# KiCad board FetsAndCrosses.kicad_pcb (continued)
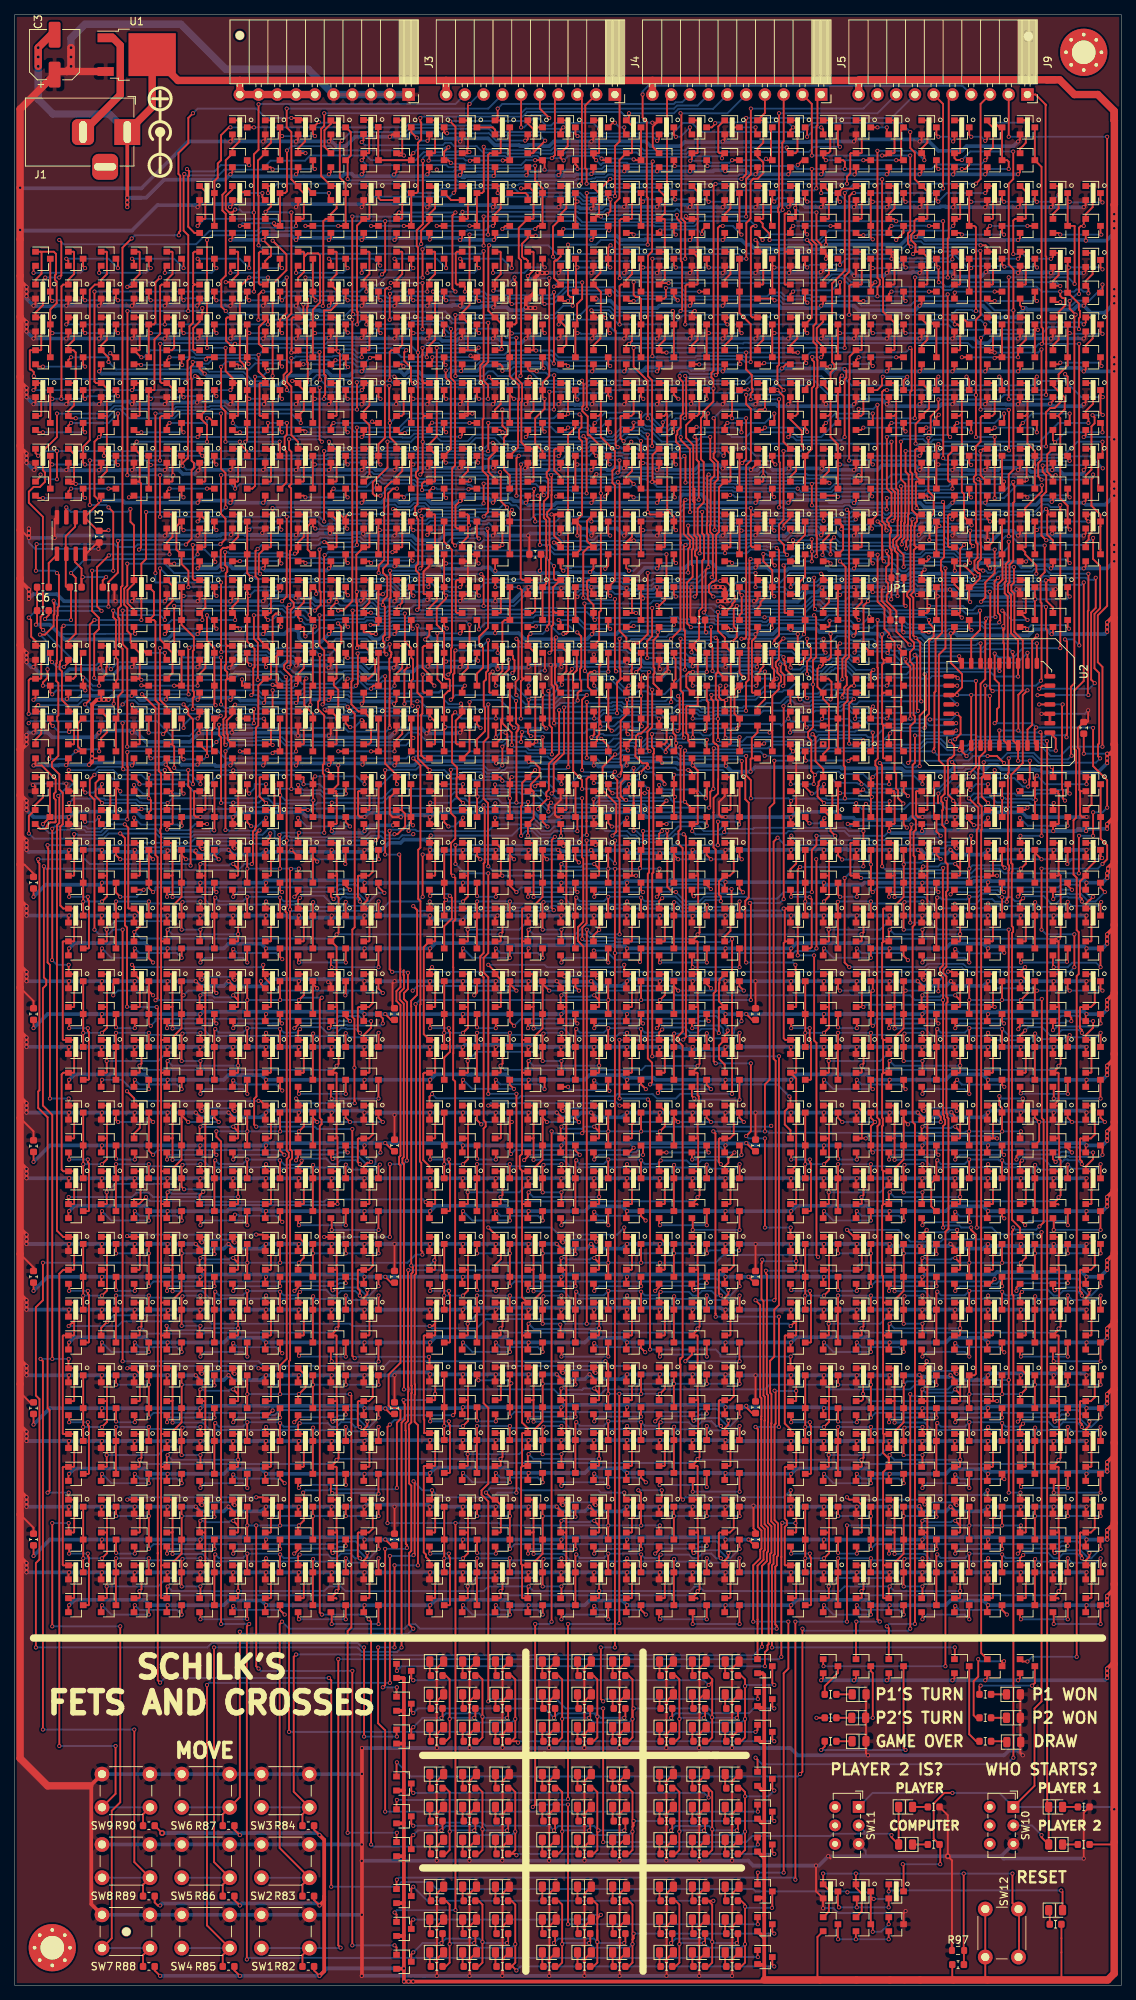
[diagram p0: board, top side]
## Routing (per net, layer and track width the routed paths; a pad name or vN(x,y) marks a point on that pad's centre or on a via; arc(x,y) is an arc through that point) (continued)
Net-(Q1010-Pad2): length 9.4
  Top w0.25: v1(91.96,147.4) 91.94,147.4 91.71,147.62 Q1010.2 ; v1(98.64,147.93) 98.16,148.41 Q1011.3
  Bottom w0.25: v1(98.64,147.93) 98.48,147.77 92.52,147.77 92.15,147.4 v1(91.96,147.4)
Net-(Q1014-Pad2): length 9.5
  Top w0.25: 75.95,149.21 Q1015.3 75.93,148.22 v1(76.2,147.95) ; Q1014.2 69.48,147.36 v1(69.52,147.32)
  Bottom w0.25: v1(69.52,147.32) 69.52,147.71 69.76,147.95 v1(76.2,147.95)
Net-(Q1017-Pad3): length 5.8
  Top w0.25: Q405.2 60.61,162.46 v1(60.71,162.56) ; 58.07,162.35 58.07,162.46 Q1017.3 v1(57.15,162.56)
  Bottom w0.25: v1(60.71,162.56) v1(57.15,162.56)
Net-(Q1018-Pad3): length 7.6
  Top w0.25: Q404.2 65.06,162.5 v1(65.05,162.51) ; v1(70.48,162.27) 70.77,162.56 Q1018.3
  Bottom w0.25: v1(70.48,162.27) 70.38,162.38 65.19,162.38 v1(65.05,162.51)
Net-(Q1021-Pad3): length 4.3
  Top w0.25: v1(107.63,157.26) 107.06,157.83 Q1021.3 ; 109.51,157.16 109.51,157.83 v1(109.65,157.97)
  Bottom w0.25: v1(107.63,157.26) 108.93,157.26 v1(109.65,157.97)
Net-(Q1022-Pad3): length 11.3
  Top w0.25: v1(120.82,156.69) 120.4,157.11 Q1022.3 ; 113.82,157.46 113.95,157.32 113.95,157.16 112.85,157.16 v1(112.82,157.19)
  Bottom w0.25: v1(112.82,157.19) 113.1,156.92 120.59,156.92 v1(120.82,156.69)
Net-(Q1023-Pad3): length 4.8
  Top w0.25: Q409.2 109.51,162.46 v1(109.6,162.56) ; v1(107.95,161.29) 107.06,162.18 Q1023.3
  Bottom w0.25: v1(109.6,162.56) 108.33,161.29 v1(107.95,161.29)
Net-(Q1024-Pad3): length 9.7
  Top w0.25: v1(114.9,161.84) 114.67,161.61 Q408.2 ; Q1024.3 120.4,161.54 v1(120.97,160.97)
  Bottom w0.25: 120.02,161.29 120.65,161.29 v1(120.97,160.97) ; 120.02,161.29 119.87,161.43 115.31,161.43 v1(114.9,161.84) ; 120.02,161.29 120.4,161.29
Net-(Q1029-Pad2): length 9.1
  Top w0.25: v1(109.6,140.33) 109.49,140.22 109.49,139.38 ; Q1030.3 115.95,140.32 v1(115.95,139.06)
  Bottom w0.25: v1(109.6,140.33) 110.87,139.06 v1(115.95,139.06)
Net-(Q1030-Pad2): length 10.4
  Top w0.25: v1(114.05,140.33) 113.94,140.22 113.94,139.38 ; v1(120.97,138.75) 120.38,139.33 Q1031.3
  Bottom w0.25: v1(114.05,140.33) 114.68,139.7 120.02,139.7 v1(120.97,138.75)
Net-(Q1034-Pad2): length 10.1
  Top w0.25: v1(126.75,147.65) 127.27,148.17 Q1034.2 ; Q1035.3 133.72,148.22 v1(133.98,147.95)
  Bottom w0.25: 127.95,147.95 127.05,147.95 v1(126.75,147.65) ; 127.95,147.95 127.67,147.95 ; 127.95,147.95 130.49,147.95 130.75,148.22 133.16,148.22 133.42,147.95 v1(133.98,147.95)
Net-(Q1039-Pad2): length 9.8
  Top w0.25: v1(129.29,138.43) 129.27,138.45 Q1040.3 ; 122.83,139.38 122.94,139.27 v1(122.94,138.43)
  Bottom w0.25: v1(129.29,138.43) 128.65,139.06 123.57,139.06 v1(122.94,138.43)
Net-(Q1040-Pad2): length 8.7
  Top w0.25: 127.38,139.27 127.27,139.38 127.27,140.13 v1(127.38,140.24) ; v1(134.02,139.75) 133.72,140.05 Q1041.3
  Bottom w0.25: v1(127.38,140.24) 127.96,139.66 133.55,139.66 133.63,139.75 v1(134.02,139.75)
Net-(Q1045-Pad2): length 9.1
  Top w0.25: 136.16,139.38 136.16,138.54 v1(136.27,138.43) ; Q1046.3 142.6,138.63 v1(142.51,138.54)
  Bottom w0.25: v1(142.51,138.54) 142.41,138.43 v1(136.27,138.43)
Net-(Q1046-Pad2): length 11
  Top w0.25: Q1047.3 147.05,137.81 v1(147.07,137.79) ; 140.6,139.38 140.6,137.91 v1(140.71,137.8)
  Bottom w0.25: v1(140.71,137.8) 142.62,137.8 143.22,138.4 146.47,138.4 v1(147.07,137.79)
Net-(Q1051-Pad2): length 10.1
  Top w0.25: Q1051.2 136.16,147.62 135.89,147.36 v1(135.86,147.36) ; v1(143.19,148.27) 142.6,148.86 Q1052.3
  Bottom w0.25: v1(143.19,148.27) 141.86,148.27 141.76,148.37 141.39,148 136.5,148 v1(135.86,147.36)
Net-(Q1052-Pad2): length 11.1
  Top w0.25: Q1052.2 140.6,147.05 v1(140.65,147) ; v1(147.64,147.95) 147.05,148.54 Q1053.3
  Bottom w0.25: v1(147.64,147.95) 146.37,146.69 145.41,146.69 144.43,147.67 142.9,147.67 142.81,147.77 141.8,147.77 141.43,147.4 141.05,147.4 v1(140.65,147)
Net-(Q1056-Pad2): length 9.3
  Top w0.25: 124.84,149.21 Q1057.3 124.83,148.22 v1(125.1,147.95) ; Q1056.2 118.38,147.36 v1(118.41,147.32)
  Bottom w0.25: 124.84,147.95 118.66,147.95 118.41,147.71 v1(118.41,147.32)
Net-(Q1059-Pad3): length 8.3
  Top w0.25: Q1059.3 v1(80.39,177.8) ; v1(78.51,177.77) 77.98,177.77 77.62,177.4 77.62,175.72 78.39,174.94
  Bottom w0.25: v1(78.51,177.77) 78.54,177.8 v1(80.39,177.8)
Net-(Q1060-Pad3): length 5
  Top w0.25: v1(79.45,168.69) 80.39,167.75 Q1060.3 ; 78.49,169.34 78.5,169.33 ; 78.49,169.34 78.49,169.29 v1(78.11,168.91) ; 78.49,169.34 78.49,170.18
  Bottom w0.25: v1(79.45,168.69) 79.23,168.91 v1(78.11,168.91)
Net-(Q1061-Pad3): length 6.2
  Top w0.25: v1(84.17,177.74) 84.84,178.4 Q1061.3 ; Q413.2 82.84,175.62 83.11,175.89 v1(83.15,175.89)
  Bottom w0.25: v1(84.17,177.74) 84.17,176.92 v1(83.15,175.89)
Net-(Q1062-Pad3): length 5
  Top w0.25: v1(84.77,168.81) 84.84,168.74 Q1062.3 ; Q412.2 82.84,169.52 v1(83.03,169.33)
  Bottom w0.25: v1(83.03,169.33) 83.18,169.18 84.4,169.18 v1(84.77,168.81)
Net-(Q1065-Pad3): length 9.9
  Top w0.25: 65.06,174.94 64.36,174.94 64.28,175.02 64.28,177.51 64.31,177.53 64.45,177.53 v1(64.72,177.81) ; Q1065.3 67.49,179.9 67.49,179.52 67.68,179.33 67.68,177.89 v1(67.41,177.62)
  Bottom w0.25: v1(67.41,177.62) 67.13,177.34 65.18,177.34 v1(64.72,177.81)
Net-(Q1066-Pad3): length 5.6
  Top w0.25: v1(65.15,168.91) 65.15,170.18 ; v1(66.46,169.54) 66.71,169.3 66.71,167.35 Q1066.3
  Bottom w0.25: v1(66.46,169.54) 65.79,169.54 v1(65.15,168.91)
Net-(Q1067-Pad3): length 6.7
  Top w0.25: Q417.2 69.5,175.8 v1(69.6,175.89) ; v1(71.79,177.95) 71.79,180.05 Q1067.3
  Bottom w0.25: v1(69.6,175.89) 69.6,176.28 71.26,177.95 v1(71.79,177.95)
Net-(Q1068-Pad3): length 5.2
  Top w0.25: Q1068.3 v1(71.5,168.91) ; Q416.2 69.5,169.47 v1(69.9,169.07)
  Bottom w0.25: v1(69.9,169.07) 71.34,169.07 v1(71.5,168.91)
Net-(Q1071-Pad2): length 9.1
  Top w0.25: v1(11.81,122.55) 11.7,122.44 Q1071.2 ; Q1072.3 18.16,122.54 v1(18.16,121.28)
  Bottom w0.25: v1(11.81,122.55) 14.54,122.55 15.81,121.28 v1(18.16,121.28)
Net-(Q1072-Pad2): length 9.1
  Top w0.25: v1(16.26,122.55) 16.14,122.44 Q1072.2 ; Q1073.3 22.61,122.54 v1(22.61,121.28)
  Bottom w0.25: v1(16.26,122.55) 16.89,121.92 21.97,121.92 v1(22.61,121.28)
Net-(Q1076-Pad2): length 10.3
  Top w0.25: 29.48,130.49 29.59,130.38 v1(29.59,129.54) ; Q1077.3 35.92,130.44 v1(36.2,130.17)
  Bottom w0.25: v1(29.59,129.54) 30.23,130.17 34.92,130.17 ; 34.92,130.17 v1(36.2,130.17) ; 34.92,130.17 35.94,130.17
Net-(Q1081-Pad2): length 9.8
  Top w0.25: v1(31.5,120.65) 31.48,120.67 Q1082.3 ; Q1081.2 25.15,121.49 v1(25.15,120.65)
  Bottom w0.25: v1(31.5,120.65) 30.86,121.28 25.78,121.28 v1(25.15,120.65)
Net-(Q1082-Pad2): length 9.9
  Top w0.25: 29.59,121.49 Q1082.2 29.48,122.35 v1(29.59,122.46) ; Q1083.3 35.92,121.4 v1(36.23,121.1)
  Bottom w0.25: v1(36.23,121.1) 35.41,121.92 30.14,121.92 v1(29.59,122.46)
Net-(Q1087-Pad2): length 9.3
  Top w0.25: Q1088.3 44.83,122.54 v1(44.83,120.65) ; v1(38.49,120.66) 38.37,120.77 Q1087.2
  Bottom w0.25: v1(38.49,120.66) 38.49,120.65 v1(44.83,120.65)
Net-(Q1088-Pad2): length 10.5
  Top w0.25: Q1089.3 49.26,120.03 v1(49.28,120.01) ; v1(42.92,120.02) 42.81,120.13 Q1088.2
  Bottom w0.25: v1(42.92,120.02) 42.93,120.01 v1(49.28,120.01)
Net-(Q1093-Pad2): length 10.4
  Top w0.25: v1(37.88,129.54) 38.37,130.03 38.37,130.49 ; v1(45.4,130.49) 44.77,131.13 44.77,131.44 Q1094.3
  Bottom w0.25: v1(45.4,130.49) 44.07,130.49 43.97,130.59 43.6,130.22 38.56,130.22 v1(37.88,129.54)
Net-(Q1094-Pad2): length 10.2
  Top w0.25: Q1095.3 49.85,130.86 v1(49.85,130.17) ; v1(42.55,129.54) 42.81,129.81 42.81,130.49
  Bottom w0.25: v1(49.85,130.17) 49.56,129.89 45.11,129.89 45.02,129.99 44.01,129.99 43.64,129.62 43.45,129.62 43.37,129.54 v1(42.55,129.54)
Net-(Q1098-Pad2): length 10.6
  Top w0.25: 27.05,131.43 Q1099.3 27.04,130.44 v1(27.31,130.17) ; 20.59,130.49 20.59,129.58 v1(20.62,129.54)
  Bottom w0.25: v1(20.62,129.54) 20.62,129.93 20.87,130.17 26.04,130.17 ; 26.04,130.17 v1(27.31,130.17) ; 26.04,130.17 27.05,130.17
Net-(Q1104-Pad2): length 7
  Top w0.25: Q1105.3 13.72,147.89 v1(14.29,147.32) ; Q1104.2 16.16,148.27 v1(17.46,148.27)
  Bottom w0.25: v1(17.46,148.27) 16.51,147.32 v1(14.29,147.32)
Net-(Q1108-Pad2): length 11.3
  Top w0.25: Q1108.2 7.37,148.18 v1(7.37,147.32) ; v1(9.9,147.32) 9.9,146.93 10.05,146.78 10.05,140.41 9.97,140.33 Q1109.3
  Bottom w0.25: v1(7.37,147.32) v1(9.9,147.32)
Net-(Q1113-Pad2): length 9.9
  Top w0.25: v1(60.71,122.55) 60.59,122.44 Q1113.2 ; 67.06,122.54 Q1114.3 67.04,121.89 v1(67.61,121.32)
  Bottom w0.25: v1(60.71,122.55) 61.94,121.32 v1(67.61,121.32)
Net-(Q1114-Pad2): length 9.5
  Top w0.25: v1(65.15,122.55) 65.04,122.44 Q1114.2 ; 71.5,122.54 Q1115.3 71.76,122.28 v1(71.76,121.28)
  Bottom w0.25: v1(65.15,122.55) 65.79,121.92 71.12,121.92 v1(71.76,121.28)
Net-(Q1118-Pad2): length 9.7
  Top w0.25: 84.82,130.19 84.84,130.17 ; 78.38,130.49 78.49,130.38 v1(78.49,129.54) ; v1(85.09,130.17) 84.82,130.44 Q1119.3
  Bottom w0.25: v1(78.49,129.54) 79.12,130.17 84.45,130.17 ; v1(85.09,130.17) 84.45,130.17 ; 84.45,130.17 84.84,130.17
Net-(Q1123-Pad2): length 8.5
  Top w0.25: v1(80.54,121.07) 80.38,121.23 Q1124.3 ; v1(74.93,121.6) 73.93,121.6 Q1123.2
  Bottom w0.25: v1(74.93,121.6) 75.12,121.41 75.12,121.16 80.44,121.16 v1(80.54,121.07)
Net-(Q1124-Pad2): length 10.1
  Top w0.25: 78.49,121.49 Q1124.2 78.38,122.35 v1(78.49,122.46) ; Q1125.3 84.82,121.94 v1(85.47,121.28)
  Bottom w0.25: v1(85.47,121.28) 84.84,121.92 79.03,121.92 v1(78.49,122.46)
Net-(Q1129-Pad2): length 9.8
  Top w0.25: Q1129.2 87.27,120.92 v1(87.1,120.76) ; Q1130.3 93.71,121.87 v1(94.3,121.28)
  Bottom w0.25: v1(94.3,121.28) 87.63,121.28 v1(87.1,120.76)
Net-(Q1130-Pad2): length 10.6
  Top w0.25: Q1131.3 98.16,119.88 v1(98.17,119.86) ; v1(92.04,120.02) 91.71,120.35 Q1130.2
  Bottom w0.25: v1(98.17,119.86) 92.19,119.86 v1(92.04,120.02)
Net-(Q1135-Pad2): length 9.6
  Top w0.25: v1(86.96,129.54) 87.27,129.85 87.27,130.49 ; Q1136.3 93.71,130.76 v1(93.98,130.49)
  Bottom w0.25: v1(86.96,129.54) 87.64,130.22 92.5,130.22 92.77,130.49 v1(93.98,130.49)
Net-(Q1136-Pad2): length 10.8
  Top w0.25: 91.71,130.49 91.71,129.59 v1(91.76,129.54) ; v1(98.42,130.49) 98.42,131.17 Q1137.3
  Bottom w0.25: v1(91.76,129.54) 92.45,129.54 92.81,129.89 95.53,129.89 95.95,129.47 95.95,128.93 96.27,128.62 97.13,128.62 97.44,128.93 97.44,129.51 v1(98.42,130.49)
Net-(Q1140-Pad2): length 9.6
  Top w0.25: 75.95,131.43 Q1141.3 75.93,130.44 v1(76.2,130.17) ; 69.48,130.49 69.48,129.58 v1(69.52,129.54)
  Bottom w0.25: v1(69.52,129.54) 69.52,129.93 69.76,130.17 75.88,130.17 ; v1(76.2,130.17) 75.88,130.17 ; 75.88,130.17 75.95,130.17
Net-(Q1144-Pad2): length 5.4
  Top w0.25: Q1144.2 65.15,148.18 v1(65.15,147.32) ; Q1145.3 v1(62.61,147.44)
  Bottom w0.25: v1(62.61,147.44) 62.73,147.32 v1(65.15,147.32)
Net-(Q1148-Pad2): length 11.4
  Top w0.25: Q1148.2 56.17,147.54 v1(56.27,147.43) ; Q1149.3 58.17,143.34 59.2,144.38 59.2,147.18 v1(58.92,147.46)
  Bottom w0.25: v1(58.92,147.46) 58.67,147.71 56.55,147.71 v1(56.27,147.43)
Net-(Q1152-Pad2): length 5.3
  Top w0.25: Q1152.2 114.05,148.18 v1(114.05,147.32) ; Q1185.3 111.51,147.61 v1(111.79,147.32)
  Bottom w0.25: v1(114.05,147.32) v1(111.79,147.32)
Net-(Q1155-Pad2): length 10.5
  Top w0.25: v1(109.6,122.55) 109.49,122.44 Q1155.2 ; 115.95,122.54 Q1156.3 115.94,121.55 v1(116.2,121.28)
  Bottom w0.25: v1(109.6,122.55) 110.87,121.28 114.94,121.28 ; v1(116.2,121.28) 114.94,121.28 ; 114.94,121.28 115.95,121.28
Net-(Q1156-Pad2): length 9.5
  Top w0.25: v1(114.05,122.55) 113.94,122.44 Q1156.2 ; 120.4,122.54 Q1157.3 120.38,121.55 v1(120.65,121.28)
  Bottom w0.25: v1(114.05,122.55) 114.68,121.92 120.02,121.92 v1(120.65,121.28)
Net-(Q1160-Pad2): length 9
  Top w0.25: 127.27,130.49 127.38,130.38 v1(127.38,129.54) ; Q1161.3 133.72,130.44 v1(133.98,130.17)
  Bottom w0.25: 133.73,130.17 128.02,130.17 v1(127.38,129.54)
Net-(Q1165-Pad2): length 9.8
  Top w0.25: v1(129.29,120.65) 129.27,120.67 Q1166.3 ; Q1165.2 122.94,121.49 v1(122.94,120.65)
  Bottom w0.25: v1(129.29,120.65) 128.65,121.28 123.57,121.28 v1(122.94,120.65)
Net-(Q1166-Pad2): length 9.4
  Top w0.25: 127.38,121.49 Q1166.2 ; Q1166.2 127.38,121.72 127.38,121.79 ; Q1166.2 127.27,122.19 v1(127.64,122.55) ; v1(134.02,121.6) 133.72,121.9 Q1167.3
  Bottom w0.25: v1(134.02,121.6) 133.72,121.9 128.25,121.9 128.25,121.94 v1(127.64,122.55)
Net-(Q1171-Pad2): length 9.2
  Top w0.25: Q1172.3 142.62,122.54 v1(142.62,120.65) ; v1(136.25,120.71) 136.16,120.8 Q1171.2
  Bottom w0.25: v1(142.62,120.65) 136.31,120.65 v1(136.25,120.71)
Net-(Q1172-Pad2): length 10.5
  Top w0.25: Q1173.3 147.05,120.03 v1(147.07,120.01) ; Q1172.2 140.72,121.49 v1(140.72,120.01)
  Bottom w0.25: v1(147.07,120.01) v1(140.72,120.01)
Net-(Q1177-Pad2): length 10
  Top w0.25: Q1178.3 143.1,130.95 v1(143.1,130.49) ; v1(135.92,129.39) 135.92,129.6 136.16,129.84 136.16,130.49
  Bottom w0.25: v1(143.1,130.49) 142.53,130.49 142.31,130.27 140.3,130.27 140.26,130.22 136.74,130.22 v1(135.92,129.39)
Net-(Q1178-Pad2): length 9.4
  Top w0.25: Q1179.3 147.05,130.19 v1(147.07,130.17) ; 140.65,129.22 v1(140.6,129.27) 140.6,130.49
  Bottom w0.25: 140.65,129.22 141.2,129.77 146.66,129.77 v1(147.07,130.17)
Net-(Q1182-Pad2): length 9.5
  Top w0.25: 124.84,131.43 Q1183.3 124.83,130.44 v1(125.1,130.17) ; 118.38,130.49 118.38,129.58 v1(118.41,129.54)
  Bottom w0.25: v1(118.41,129.54) 118.41,129.93 118.66,130.17 v1(125.1,130.17)
Net-(Q1188-Pad2): length 11.3
  Top w0.25: Q1188.2 105.16,148.18 v1(105.16,147.32) ; v1(107.66,147.26) 107.94,146.99 107.94,140.51 107.76,140.33 Q1189.3
  Bottom w0.25: v1(105.16,147.32) 107.6,147.32 v1(107.66,147.26)
Net-(Q1192-Pad2): length 5.4
  Top w0.25: 16.16,130.49 16.26,130.4 v1(16.26,129.54) ; Q1193.3 v1(13.72,129.66)
  Bottom w0.25: v1(13.72,129.66) 13.83,129.54 v1(16.26,129.54)
Net-(Q1197-Pad2): length 9.1
  Top w0.25: v1(11.81,104.77) 11.7,104.66 Q1197.2 ; Q1198.3 18.16,104.76 v1(18.16,103.5)
  Bottom w0.25: v1(11.81,104.77) 13.08,103.5 v1(18.16,103.5)
Net-(Q1198-Pad2): length 9.1
  Top w0.25: v1(16.26,104.77) 16.14,104.66 Q1198.2 ; Q1199.3 22.61,104.76 v1(22.61,103.5)
  Bottom w0.25: v1(16.26,104.77) 16.89,104.14 21.97,104.14 v1(22.61,103.5)
Net-(Q1202-Pad2): length 10.1
  Top w0.25: 29.48,112.71 29.59,112.6 v1(29.59,111.76) ; Q1203.3 35.92,112.98 v1(36.51,112.39)
  Bottom w0.25: 35.56,112.39 35.91,112.39 ; 35.56,112.39 v1(36.51,112.39) ; 35.56,112.39 30.23,112.39 v1(29.59,111.76)
Net-(Q1207-Pad2): length 9.8
  Top w0.25: v1(31.5,102.87) 31.48,102.89 Q1208.3 ; Q1207.2 25.15,103.71 v1(25.15,102.87)
  Bottom w0.25: v1(31.5,102.87) 30.86,103.5 25.78,103.5 v1(25.15,102.87)
Net-(Q1208-Pad2): length 9.2
  Top w0.25: 29.59,103.71 Q1208.2 29.48,103.95 v1(29.82,104.29) ; v1(36.23,103.32) 35.92,103.62 Q1209.3
  Bottom w0.25: v1(29.82,104.29) 30.21,104.29 30.37,104.14 35.41,104.14 v1(36.23,103.32)
Net-(Q1213-Pad2): length 9.3
  Top w0.25: Q1213.2 38.37,102.98 v1(38.48,102.87) ; Q1214.3 44.83,104.76 v1(44.83,102.87)
  Bottom w0.25: v1(38.48,102.87) v1(44.83,102.87)
Net-(Q1214-Pad2): length 10.5
  Top w0.25: Q1215.3 49.26,102.25 v1(49.28,102.23) ; Q1214.2 42.93,103.71 v1(42.93,102.23)
  Bottom w0.25: v1(49.28,102.23) v1(42.93,102.23)
Net-(Q1219-Pad2): length 9.9
  Top w0.25: v1(45.08,112.71) 44.81,112.98 Q1220.3 ; v1(38.09,111.64) 38.09,111.79 38.37,112.06 38.37,112.71
  Bottom w0.25: v1(38.09,111.64) 38.09,112.03 38.5,112.44 43.6,112.44 43.88,112.71 v1(45.08,112.71)
Net-(Q1220-Pad2): length 10.5
  Top w0.25: v1(43.06,111.84) 43.04,111.84 42.81,112.06 42.81,112.71 ; Q1221.3 49.53,113.39 v1(49.53,112.71)
  Bottom w0.25: v1(43.06,111.84) 43.64,111.84 43.91,112.11 46.64,112.11 47.91,110.84 48.55,110.84 48.86,111.15 48.86,112.04 v1(49.53,112.71)
Net-(Q1224-Pad2): length 9.6
  Top w0.25: 27.05,113.65 Q1225.3 27.04,112.66 v1(27.31,112.39) ; 20.59,112.71 20.59,111.8 v1(20.62,111.76)
  Bottom w0.25: v1(20.62,111.76) 20.62,112.15 20.87,112.39 26.99,112.39 ; 26.99,112.39 v1(27.31,112.39) ; 26.99,112.39 27.05,112.39
Net-(Q1228-Pad2): length 11.3
  Top w0.25: 7.27,130.49 7.37,130.4 v1(7.37,129.54) ; Q1229.3 9.97,122.55 10.05,122.63 10.05,129 9.9,129.15 v1(9.9,129.54)
  Bottom w0.25: v1(7.37,129.54) v1(9.9,129.54)
Net-(Q1232-Pad2): length 5.4
  Top w0.25: 65.06,130.49 65.15,130.4 v1(65.15,129.54) ; Q1233.3 v1(62.61,129.66)
  Bottom w0.25: v1(62.61,129.66) 62.73,129.54 v1(65.15,129.54)
Net-(Q1236-Pad2): length 10.9
  Top w0.25: 56.17,130.49 56.26,130.4 v1(56.26,129.54) ; v1(58.79,129.54) 58.79,129.15 58.94,129 58.94,126.34 58.17,125.56 Q1269.3
  Bottom w0.25: v1(56.26,129.54) v1(58.79,129.54)
Net-(Q1239-Pad2): length 9.1
  Top w0.25: v1(60.71,104.77) 60.59,104.66 Q1239.2 ; Q1240.3 67.06,104.76 v1(67.06,103.5)
  Bottom w0.25: v1(60.71,104.77) 61.98,103.5 v1(67.06,103.5)
Net-(Q1240-Pad2): length 9.1
  Top w0.25: v1(65.15,104.77) 65.04,104.66 Q1240.2 ; Q1241.3 71.5,104.76 v1(71.5,103.5)
  Bottom w0.25: v1(65.15,104.77) 65.79,104.14 70.87,104.14 v1(71.5,103.5)
Net-(Q1244-Pad2): length 9.3
  Top w0.25: 78.38,112.71 78.49,112.6 v1(78.49,111.76) ; Q1245.3 85.09,113.39 v1(85.09,112.39)
  Bottom w0.25: v1(78.49,111.76) 79.12,112.39 82.93,112.39 83.03,112.3 84.35,112.3 84.45,112.39 v1(85.09,112.39)
Net-(Q1249-Pad2): length 9.8
  Top w0.25: v1(80.39,102.87) 80.38,102.89 Q1250.3 ; Q1249.2 74.04,103.71 v1(74.04,102.87)
  Bottom w0.25: v1(80.39,102.87) 79.76,103.5 74.68,103.5 v1(74.04,102.87)
Net-(Q1250-Pad2): length 10
  Top w0.25: 78.49,103.71 Q1250.2 78.38,104.57 v1(78.49,104.68) ; v1(85.44,103.5) 85.44,103.5 84.82,104.12 Q1251.3
  Bottom w0.25: v1(85.44,103.5) 84.81,104.14 79.03,104.14 v1(78.49,104.68)
Net-(Q1255-Pad2): length 9.3
  Top w0.25: Q1255.2 87.27,102.98 v1(87.38,102.87) ; Q1256.3 93.73,104.76 v1(93.73,102.87)
  Bottom w0.25: v1(87.38,102.87) v1(93.73,102.87)
Net-(Q1256-Pad2): length 10.5
  Top w0.25: Q1257.3 98.16,102.25 v1(98.17,102.23) ; Q1256.2 91.82,103.71 v1(91.82,102.23)
  Bottom w0.25: v1(98.17,102.23) v1(91.82,102.23)
Net-(Q1261-Pad2): length 7.8
  Top w0.25: v1(93.98,112.71) 93.71,112.98 Q1262.3 ; 87.27,112.71 87.27,112.71 v1(88.27,112.71)
  Bottom w0.25: v1(93.98,112.71) v1(88.27,112.71)
Net-(Q1262-Pad2): length 9.3
  Top w0.25: 91.71,112.71 91.71,111.81 v1(91.76,111.76) ; Q1263.3 98.42,113.39 v1(98.42,112.39)
  Bottom w0.25: v1(91.76,111.76) 92.27,111.76 92.62,112.11 98.14,112.11 v1(98.42,112.39)
Net-(Q1266-Pad2): length 10.6
  Top w0.25: 75.95,113.65 Q1267.3 75.93,112.98 v1(76.52,112.39) ; v1(69,111.68) 69.48,112.17 69.48,112.71
  Bottom w0.25: v1(76.52,112.39) 69.71,112.39 v1(69,111.68)
Net-(Q1272-Pad2): length 5.4
  Top w0.25: 113.95,130.49 114.05,130.4 v1(114.05,129.54) ; Q1273.3 v1(111.51,129.66)
  Bottom w0.25: v1(111.51,129.66) 111.62,129.54 v1(114.05,129.54)
Net-(Q1276-Pad2): length 11.3
  Top w0.25: 105.06,130.49 105.16,130.4 v1(105.16,129.54) ; v1(107.67,129.54) 107.67,127.83 107.84,127.66 107.84,122.63 107.76,122.55 Q1277.3
  Bottom w0.25: v1(105.16,129.54) v1(107.67,129.54)
Net-(Q1281-Pad2): length 9.1
  Top w0.25: v1(109.6,104.77) 109.49,104.66 Q1281.2 ; Q1282.3 115.95,104.76 v1(115.95,103.5)
  Bottom w0.25: v1(109.6,104.77) 110.87,103.5 v1(115.95,103.5)
Net-(Q1282-Pad2): length 9.1
  Top w0.25: v1(114.05,104.77) 113.94,104.66 Q1282.2 ; Q1283.3 120.4,104.76 v1(120.4,103.5)
  Bottom w0.25: v1(114.05,104.77) 114.68,104.14 119.76,104.14 v1(120.4,103.5)
Net-(Q1286-Pad2): length 9.6
  Top w0.25: 127.27,112.71 127.38,112.6 v1(127.38,111.76) ; Q1287.3 133.72,112.66 v1(133.98,112.39)
  Bottom w0.25: v1(127.38,111.76) 128.02,112.39 133.35,112.39 ; 133.35,112.39 133.73,112.39 ; 133.35,112.39 v1(133.98,112.39)
Net-(Q1291-Pad2): length 9.1
  Top w0.25: Q1291.2 122.94,103.71 v1(122.94,102.87) ; v1(129.37,103.29) 129.27,103.39 Q1292.3
  Bottom w0.25: v1(122.94,102.87) 123.35,103.29 v1(129.37,103.29)
Net-(Q1292-Pad2): length 9.2
  Top w0.25: 127.38,103.71 Q1292.2 127.27,104.57 v1(127.38,104.68) ; v1(134.02,103.79) 133.72,104.1 Q1293.3
  Bottom w0.25: v1(127.38,104.68) 128,104.07 133.74,104.07 v1(134.02,103.79)
Net-(Q1297-Pad2): length 9.4
  Top w0.25: Q1298.3 142.62,104.76 v1(142.62,102.87) ; v1(136.84,102.87) 136.16,103.55 Q1297.2
  Bottom w0.25: v1(142.62,102.87) 142.06,103.43 137.4,103.43 v1(136.84,102.87)
Net-(Q1298-Pad2): length 10.5
  Top w0.25: Q1299.3 147.05,102.25 v1(147.07,102.23) ; Q1298.2 140.72,103.71 v1(140.72,102.23)
  Bottom w0.25: v1(147.07,102.23) v1(140.72,102.23)
Net-(Q1303-Pad2): length 10.3
  Top w0.25: v1(143.19,112.71) 142.6,113.3 Q1304.3 ; v1(135.67,111.76) 135.67,112.23 136.16,112.71
  Bottom w0.25: v1(135.67,111.76) 136.34,112.44 141.33,112.44 141.7,112.81 142.61,112.81 142.71,112.71 v1(143.19,112.71)
Net-(Q1304-Pad2): length 10.2
  Top w0.25: 140.6,112.71 140.6,111.81 v1(140.97,111.44) ; Q1305.3 147.32,113.39 v1(147.32,112.39)
  Bottom w0.25: 141.8,112.21 141.43,111.84 ; 141.8,112.21 141.74,112.21 v1(140.97,111.44) ; 141.8,112.21 142.81,112.21 142.9,112.11 147.04,112.11 v1(147.32,112.39)
Net-(Q1308-Pad2): length 9.6
  Top w0.25: 124.84,113.65 Q1309.3 124.83,112.66 v1(125.1,112.39) ; 118.38,112.71 118.38,111.8 v1(118.41,111.76)
  Bottom w0.25: v1(118.41,111.76) 118.41,112.15 118.66,112.39 124.78,112.39 ; v1(125.1,112.39) 124.78,112.39 ; 124.78,112.39 124.84,112.39
Net-(Q1312-Pad2): length 5.4
  Top w0.25: 16.16,112.71 16.26,112.62 v1(16.26,111.76) ; Q1313.3 v1(13.72,111.88)
  Bottom w0.25: v1(13.72,111.88) 13.83,111.76 v1(16.26,111.76)
Net-(Q1316-Pad2): length 11.3
  Top w0.25: 7.27,112.71 7.37,112.62 v1(7.37,111.76) ; Q1317.3 9.97,104.77 10.05,104.85 10.05,111.22 9.9,111.37 v1(9.9,111.76)
  Bottom w0.25: v1(7.37,111.76) v1(9.9,111.76)
Net-(Q1320-Pad2): length 5.4
  Top w0.25: 65.06,112.71 65.15,112.62 v1(65.15,111.76) ; Q1362.3 v1(62.61,111.88)
  Bottom w0.25: v1(62.61,111.88) 62.73,111.76 v1(65.15,111.76)
Net-(Q1340-Pad3): length 24.3
  Top w0.25: v1(109.22,31.84) 109.7,32.32 R99.2 ; Q1340.3 120.38,32.11 v1(120.65,31.84)
  Bottom w0.25: v1(109.22,31.84) v1(120.65,31.84)
Net-(Q1341-Pad3): length 11
  Top w0.25: v1(130.82,40.55) 130.66,40.39 R102.2 ; v1(137.79,40.55) 138.16,40.91 Q1341.3
  Bottom w0.25: v1(130.82,40.55) v1(137.79,40.55)
Net-(Q1342-Pad3): length 13.3
  Top w0.25: v1(130.49,44.13) 130.49,41.78 129.87,41.15 129.87,36.54 130.22,36.19 R103.2 ; v1(133.98,43.85) 133.73,43.85 133.72,43.83 Q1342.3
  Bottom w0.25: v1(130.49,44.13) 130.78,43.85 v1(133.98,43.85)
Net-(Q1343-Pad3): length 11
  Top w0.25: Q1343.3 129.27,33.97 130.22,33.02 R104.2
Net-(Q1344-Pad3): length 4.6
  Top w0.25: Q1344.3 111.49,42.27 109.7,40.49 R105.2
Net-(Q1345-Pad3): length 15.8
  Top w0.25: Q1345.3 115.94,42.53 116.2,42.26 v1(116.2,36.19) ; v1(108.59,36.19) R106.2
  Bottom w0.25: v1(116.2,36.19) v1(108.59,36.19)
Net-(Q1346-Pad3): length 8.3
  Top w0.25: Q1346.3 107.05,165.84 v1(107.13,165.76) ; Q1347.2 113.27,166.06 v1(112.91,165.7)
  Bottom w0.25: v1(112.91,165.7) 112.85,165.76 v1(107.13,165.76)
Net-(Q1347-Pad3): length 15.6
  Top w0.25: 115.57,167 Q1347.3 116.2,167.27 v1(116.2,169.54) ; v1(104.99,169.56) 105.05,169.61 Q1350.2
  Bottom w0.25: v1(104.99,169.56) 105.06,169.63 107.47,169.63 107.76,169.92 108.34,169.92 108.58,169.68 113.79,169.68 113.93,169.81 115.94,169.81 v1(116.2,169.54)
Net-(Q1350-Pad3): length 11.2
  Top w0.25: 113.63,170.2 113.93,170.5 Q1351.2 113.94,170.5 v1(114.94,170.5) ; v1(107.24,170.24) 107.05,170.43 Q1350.3
  Bottom w0.25: 113.24,170.2 113.3,170.26 114.7,170.26 v1(114.94,170.5) ; 113.24,170.2 112.93,170.52 107.51,170.52 v1(107.24,170.24) ; 113.24,170.2 113.63,170.2
Net-(Q1351-Pad3): length 15.5
  Top w0.25: v1(116.24,173.07) 115.94,172.77 Q1351.3 ; v1(104.94,173.28) 105.05,173.38 105.05,174.94
  Bottom w0.25: v1(104.94,173.28) 105.24,172.99 106.39,172.99 106.66,172.71 107.99,172.71 108.26,172.99 111.77,172.99 112.03,173.25 112.98,173.25 113.43,172.8 115.96,172.8 v1(116.24,173.07)
Net-(Q1352-Pad3): length 11.3
  Top w0.25: Q1352.3 107.05,174.49 v1(107.33,174.21) ; v1(114.94,175.26) 114.62,174.94 113.94,174.94 113.87,174.88 113.68,174.88
  Bottom w0.25: v1(114.94,175.26) 113,175.26 112.92,175.35 109.94,175.35 108.96,174.36 107.48,174.36 v1(107.33,174.21)
Net-(Q1356-Pad3): length 16.2
  Top w0.25: v1(105.07,178.35) 105.05,178.38 Q1357.2 ; v1(116.29,178.03) 115.94,177.68 Q1356.3
  Bottom w0.25: v1(105.07,178.35) 105.35,178.08 106.38,178.08 106.84,178.53 107.79,178.53 108.5,177.83 109.24,177.83 110.29,178.87 110.47,178.87 110.75,179.15 112.8,179.15 113.92,178.03 v1(116.29,178.03)
Net-(Q1357-Pad3): length 10.3
  Top w0.25: Q1357.3 107.05,179.59 v1(106.34,178.88) ; v1(114.15,179.19) 113.94,179.39 Q1358.2
  Bottom w0.25: v1(114.15,179.19) 113.4,179.19 112.98,179.6 110.56,179.6 110.29,179.32 110.1,179.32 109.97,179.19 106.65,179.19 v1(106.34,178.88)
Net-(Q1367-Pad2): length 11.3
  Top w0.25: 56.17,112.71 56.26,112.62 v1(56.26,111.76) ; Q1368.3 58.87,104.77 58.94,104.85 58.94,111.22 58.79,111.37 v1(58.79,111.76)
  Bottom w0.25: v1(56.26,111.76) v1(58.79,111.76)
Net-(Q1371-Pad2): length 5.4
  Top w0.25: 113.95,112.71 114.05,112.62 v1(114.05,111.76) ; Q1372.3 v1(111.51,111.88)
  Bottom w0.25: v1(111.51,111.88) 111.62,111.76 v1(114.05,111.76)
Net-(Q1375-Pad2): length 11.3
  Top w0.25: 105.06,112.71 105.16,112.62 v1(105.16,111.76) ; Q1376.3 107.76,104.77 107.84,104.85 107.84,111.22 107.69,111.37 v1(107.69,111.76)
  Bottom w0.25: v1(105.16,111.76) v1(107.69,111.76)
Net-(Q1380-Pad3): length 6.6
  Top w0.25: Q1381.2 105.75,192.72 105.86,192.84 105.86,195.14 107.05,196.33 Q1380.3
Net-(Q1381-Pad3): length 6.6
  Top w0.25: Q1381.3 107.05,190.67 106.27,189.89 106.27,188.8 105.75,188.28 Q1382.2
Net-(Q1391-Pad3): length 11.4
  Top w0.25: Q1392.2 114.05,11.64 v1(114.05,10.54) ; v1(111.63,10.54) 111.49,10.68 Q1391.3 ; v1(118.36,10.54) 118.36,11.73 Q1395.2
  Bottom w0.25: v1(118.36,10.54) v1(114.05,10.54) v1(111.63,10.54)
Net-(Q1393-Pad2): length 11.1
  Top w0.25: Q1393.2 113.92,7.29 v1(113.92,6.22) ; v1(111.51,6.22) 111.49,6.24 Q1394.3 ; v1(118.36,6.22) 118.36,7.29 Q1396.2
  Bottom w0.25: v1(111.51,6.22) v1(113.92,6.22) v1(118.36,6.22)
Net-(R107-Pad1): length 10.8
  Top w0.25: R107.1 11.91,190.13 v1(12.37,190.59) ; 8.18,193.52 8.18,192.61 9.04,191.74 R108.1 9.04,190.43 v1(9.21,190.59)
  Bottom w0.25: v1(9.21,190.59) 9.21,190.59 v1(12.37,190.59)

## Copper pours and planes (outline as drawn; the poured copper is in the pictures)
+5V on Top: 149.86,0 0,0 0,266.7 149.86,266.7
GND on Bottom: 149.86,0 0,0 0,266.7 149.86,266.7

## Text on the board
B.SilkS: v1.1
F.SilkS: PLAYER | COMPUTER | PLAYER 1 | PLAYER 2 | GAME OVER | PLAYER 2 IS? | P1'S TURN | P2'S TURN | WHO STARTS? | RESET | DRAW | P1 WON | P2 WON | MOVE | SCHILK'S / FETS AND CROSSES
